# KiCad board acorn-motherboard.kicad_pcb (continued)
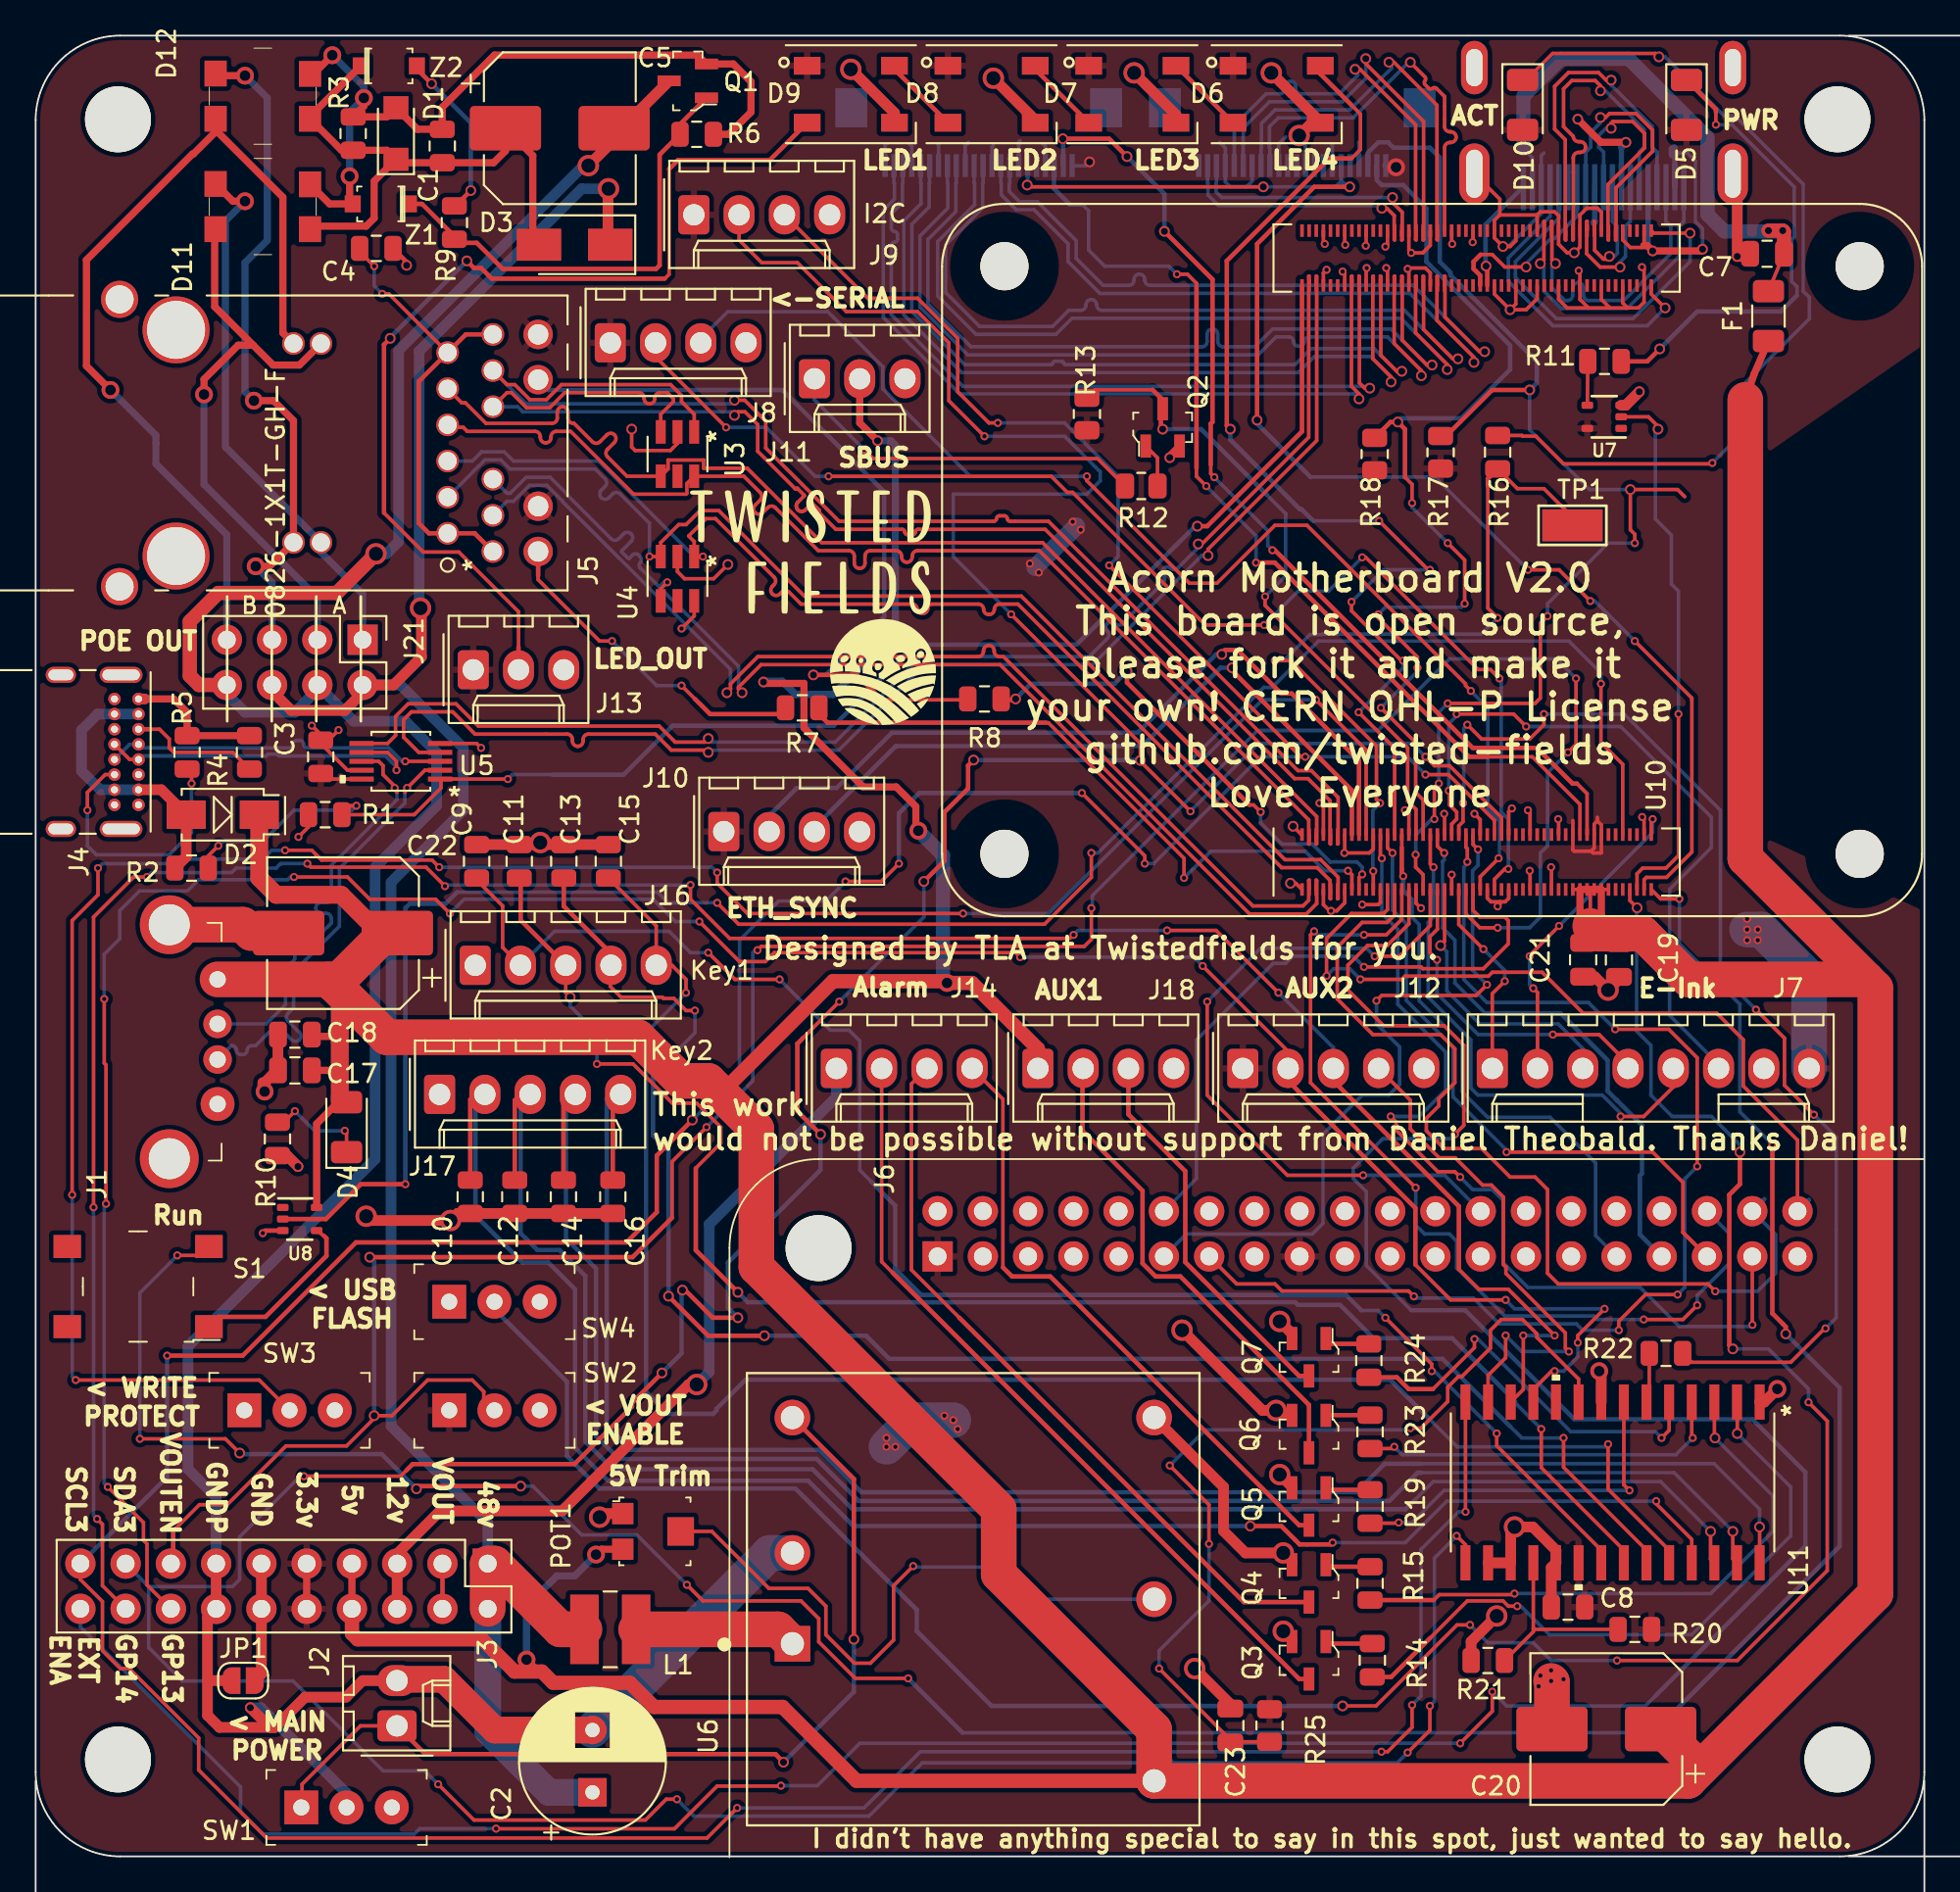
[diagram p0: board, top side]
## Routing (per net, layer and track width the routed paths; a pad name or vN(x,y) marks a point on that pad's centre or on a via; arc(x,y) is an arc through that point) (continued)
TRD1_P: length 65.1
  Top w0.2: J5.4 23.26,80.25 24,80.25 24.22,80.03 28.02,80.03 arc(28.24,79.94) 28.32,79.73 28.32,79.68 arc(28.41,79.47) 28.62,79.38 arc(28.84,79.47) 28.92,79.68 28.92,79.73 arc(29.01,79.94) 29.22,80.03 30.03,80.03 33.55,76.5 36.5,76.5 36.55,76.55 36.55,77.09 U3.6 39.75,77.51 40.66,76.59 arc(40.75,76.38) 40.66,76.17 40.38,75.88 arc(40.29,75.67) 40.38,75.46 arc(40.59,75.37) 40.8,75.46 41.09,75.74 arc(41.3,75.83) 41.51,75.74 43.93,73.33 45.65,73.33 arc(45.86,73.24) 45.95,73.03 45.95,72.62 arc(46.03,72.41) 46.25,72.33 arc(46.46,72.41) 46.55,72.62 46.55,73.03 arc(46.63,73.24) 46.85,73.33 48.3,73.33 arc(48.51,73.24) 48.6,73.03 48.6,72.98 arc(48.68,72.76) 48.9,72.68 arc(49.11,72.76) 49.2,72.98 49.2,73.03 arc(49.28,73.24) 49.5,73.33 56.33,73.33 71.45,58.21 71.45,56.88 71.47,56.85 U10.4
TRD2_N: length 67.3
  Top w0.2: U10.11 73.07,53.77 73.1,53.8 73.1,54.99 72.11,55.97 70.11,55.97 55.31,70.78 43.14,70.78 38.34,75.58 37.29,75.58 36.51,74.79 36.09,74.79 35.08,73.78 U4.3 v2(34.45,72.99)
  Bottom w0.2: J5.2 24.58,77.79 24.58,77.79 25.21,78.42 26.11,78.42 26.62,77.91 31.41,77.91 31.96,77.36 arc(32.05,77.15) 31.96,76.93 31.75,76.72 arc(31.66,76.51) 31.75,76.3 arc(31.96,76.21) 32.17,76.3 32.39,76.51 arc(32.6,76.6) 32.81,76.51 34.45,74.87 v2(34.45,72.99)
TRD2_P: length 67.4
  Top w0.2: U10.9 72.67,53.77 72.65,53.8 72.65,54.81 71.93,55.53 69.93,55.53 55.13,70.33 54.1,70.33 arc(53.89,70.24) 53.8,70.03 arc(53.72,69.82) 53.51,69.74 53.5,69.74 arc(53.29,69.82) 53.2,70.03 arc(53.12,70.24) 52.91,70.33 50.32,70.33 arc(50.14,70.25) 50.06,70.06 arc(49.99,69.88) 49.8,69.8 49.72,69.8 arc(49.54,69.88) 49.46,70.06 arc(49.39,70.25) 49.2,70.33 42.96,70.33 42.29,70.99 arc(42.08,71.08) 41.87,70.99 41.77,70.89 arc(41.56,70.81) 41.35,70.89 arc(41.26,71.11) 41.35,71.32 41.44,71.42 arc(41.53,71.63) 41.44,71.84 38.16,75.12 37.62,75.12 36.65,74.15 36.96,73.84 U4.1 v2(37.45,72.99)
  Bottom w0.2: J5.3 24.51,78.36 25.03,78.87 26.3,78.87 26.81,78.36 31.6,78.36 U4.1 v2(37.45,72.99)
TRD3_N: length 65.8
  Top w0.2: U4.4 35.08,71.18 v2(35.45,71.55) ; v1(39.65,65.35) 39.45,65.55 39.45,65.66 40.71,66.92 54.13,66.92 68.13,52.92 71.31,52.92 71.9,53.51 71.9,54.8 71.87,54.83 U10.5
  Bottom w0.2: 34.99,71.29 39.45,66.84 39.45,65.55 v1(39.65,65.35) ; 34.99,71.29 35.25,71.55 v2(35.45,71.55) ; 34.99,71.29 33.93,72.35 arc(33.87,72.51) 33.93,72.66 arc(34,72.82) 33.93,72.98 33.82,73.09 arc(33.67,73.15) 33.51,73.09 33.32,72.9 arc(33.28,72.88) 33.25,72.9 32.9,73.25 arc(32.88,73.29) 32.9,73.32 33.42,73.85 arc(33.51,74.06) 33.42,74.27 arc(33.21,74.36) 32.99,74.27 32.72,73.99 arc(32.51,73.91) 32.29,73.99 29.83,76.46 29.83,76.49 28.87,77.44 27.53,77.44 26.63,76.55 26.45,76.55 J5.9
TRD3_P: length 64
  Top w0.2: U4.6 36.96,69.66 v2(36.25,68.95) ; v1(38.8,65.35) 39,65.55 39,65.84 40.53,67.38 52.9,67.38 arc(53.11,67.46) 53.2,67.67 53.2,67.71 arc(53.28,67.92) 53.5,68.01 arc(53.71,67.92) 53.8,67.71 53.8,67.67 arc(53.88,67.46) 54.1,67.38 54.31,67.38 68.31,53.38 71.13,53.38 71.45,53.69 71.45,54.8 71.47,54.83 U10.3
  Bottom w0.2: 36.58,69.08 29.55,76.1 29.55,76.13 28.69,77 27.71,77 26.82,76.1 26.45,76.1 J5.8 ; 36.58,69.08 36.45,68.95 v2(36.25,68.95) ; 36.58,69.08 39,66.66 39,65.55 v1(38.8,65.35)
TX: length 71.3
  Top w0.2: U10.55 81.87,54.87 82.45,55.45 v2(82.65,55.45) ; v2(38.75,80.25) 34.79,84.21 J8.2 ; v2(82.15,66.15) 81.65,66.65 80.95,66.65 74.65,72.95 v2(74.45,72.95) ; v2(68.95,69.15) 65.65,69.15 58.2,76.6 57.9,76.6 57,77.5 v2(44.5,77.5)
  Bottom w0.2: v2(82.65,55.45) 82.65,58.25 82.25,58.65 82.25,66.05 v2(82.15,66.15) ; v2(38.75,80.25) 41,80.25 43.75,77.5 v2(44.5,77.5) ; v2(68.95,69.15) 70.85,71.05 72.55,71.05 v2(74.45,72.95)
USB_N: length 73.9
  Top w0.2: U5.6 19.75,62.5 20.2,62.95 20.2,64.02 20.91,64.72 23.59,64.72 24.84,63.47 34.99,63.47 35.89,62.58 37.55,62.58 v1(37.75,62.78) ; U10.103 71.47,88.75 71.45,88.72 71.45,79.69 65.45,73.7 v1(65.25,73.7)
  Bottom w0.2: v1(37.75,62.78) 37.95,62.58 44.88,62.58 49.68,67.38 59.13,67.38 60.14,68.38 arc(60.22,68.6) 60.14,68.81 arc(60.05,69.02) 60.14,69.23 arc(60.35,69.32) 60.56,69.23 arc(60.77,69.14) 60.99,69.23 63.29,71.53 arc(63.37,71.72) 63.29,71.91 arc(63.21,72.1) 63.29,72.29 63.33,72.34 arc(63.52,72.42) 63.71,72.34 arc(63.9,72.26) 64.09,72.34 65.25,73.5 v1(65.25,73.7)
USB_OTG: length 82.5
  Top w0.2: v2(26.5,60.5) 22.7,60.5 U5.1 22.75,60.45 22.75,60 21.25,58.5 R1.1 17.69,59 v2(18,59) ; v2(10.25,56.75) 9.69,56.19 R2.2
  Top w0.25: U10.101 71.07,80.02 65.75,74.7 v1(65.2,74.7)
  Bottom w0.2: v2(18,59) 17.75,58.75 14.5,58.75 12.75,57 10.5,57 v2(10.25,56.75) ; 29,60.75 26.75,60.75 v2(26.5,60.5)
  Bottom w0.25: 29,60.75 33,60.75 35.75,63.5 44.8,63.5 49.35,68.05 58.42,68.05 65.07,74.7 v1(65.2,74.7)
USB_P: length 73.9
  Top w0.2: v1(37.75,62) 37.63,62.12 35.68,62.12 34.78,63.03 31.03,63.03 arc(30.81,62.94) 30.72,62.72 30.72,62.64 arc(30.64,62.43) 30.42,62.34 arc(30.21,62.43) 30.12,62.64 30.12,62.72 arc(30.04,62.94) 29.83,63.03 24.66,63.03 23.41,64.28 21.09,64.28 20.65,63.83 20.65,62.85 21.5,62 U5.4 ; v1(65.8,73.05) 65.8,73.41 71.9,79.51 71.9,88.72 71.87,88.75 U10.105
  Bottom w0.2: v1(65.8,73.05) 65.44,73.05 59.31,66.92 49.88,66.92 45.07,62.12 37.87,62.12 v1(37.75,62)
USBA_D_N: length 26.7
  Top w0.2: 20.28,59.75 20.27,59.88 v2(20.15,60) 20.15,60.1 19.5,60.75 19.5,61.25 19.25,61.5 18.3,61.5 U5.8
  Bottom w0.2: v2(20.15,60) 20.27,59.88 20.28,59.34 16.6,55.66 16.6,53.86 arc(16.51,53.65) 16.3,53.56 16.02,53.56 arc(15.81,53.48) 15.72,53.26 arc(15.81,53.05) 16.02,52.96 16.3,52.96 arc(16.51,52.88) 16.6,52.66 16.6,52.41 16.16,51.98 arc(15.95,51.89) 15.74,51.98 15.48,52.24 arc(15.26,52.33) 15.05,52.24 arc(14.96,52.03) 15.05,51.82 15.56,51.31 arc(15.58,51.27) 15.56,51.24 15.21,50.89 arc(15.17,50.87) 15.14,50.89 14.63,51.4 arc(14.42,51.48) 14.2,51.4 arc(14.12,51.18) 14.2,50.97 14.47,50.71 arc(14.55,50.5) 14.47,50.28 14.03,49.84 14.03,47.84 12.93,46.75 J1.2
USBA_D_P: length 26.1
  Top w0.2: U5.2 21.85,61 v2(20.85,60) 20.73,59.88 20.72,59.75
  Bottom w0.2: J1.3 10.98,45.52 11.02,45.52 arc(11.2,45.45) 11.27,45.28 arc(11.35,45.1) 11.52,45.03 11.62,45.03 arc(11.8,45.1) 11.87,45.28 arc(11.95,45.45) 12.12,45.52 12.34,45.52 13.31,46.49 arc(13.52,46.58) 13.73,46.49 14.37,45.86 arc(14.58,45.77) 14.8,45.86 arc(14.88,46.07) 14.8,46.28 14.16,46.92 arc(14.07,47.13) 14.16,47.34 14.47,47.66 14.47,49.66 17.05,52.23 17.05,55.48 20.72,59.16 20.73,59.88 v2(20.85,60)
USBC_D_N: length 19.5
  Top w0.2: v2(20.25,61) 20.25,61.49 19.75,62 U5.7 ; J4.A7 5.28,61.6 J4.B7
  Bottom w0.2: v2(20.25,61) 20.25,61.18 19.63,61.8 13.65,61.8 arc(13.61,61.81) 13.6,61.85 arc(13.59,61.89) 13.55,61.9 13.05,61.9 arc(13.01,61.89) 13,61.85 arc(12.99,61.81) 12.95,61.8 5.97,61.8 J4.A7
USBC_D_P: length 19.5
  Top w0.2: v2(20.74,61.49) 22.7,61.49 U5.3
  Bottom w0.2: v2(20.74,61.49) 20.57,61.49 19.81,62.25 15.25,62.25 arc(15.1,62.31) 15.04,62.46 arc(14.98,62.61) 14.83,62.67 14.65,62.67 arc(14.5,62.61) 14.44,62.46 arc(14.38,62.31) 14.23,62.25 5.97,62.25 J4.A6 5.28,62.45 J4.B6
USBC_VBUS_IN: length 15.7
  Top w0.6: 8.06,55.75 8.45,56.14 D2.2 7.05,59.9 J4.A9
  Bottom w0.6: J4.A9 J4.B4 3.62,59.9 2.58,60.95 2.58,63.25 3.47,64.15 J4.B9 J4.A4
VC1: length 30.3
  Top w0.4: D11.1 11.07,92.95 v4(11.75,92.95)
  Bottom w0.4: J21.1 18.35,70.9 16.01,73.24 J5.13 10.65,79.15 10.65,91.85 v4(11.75,92.95)
VC2: length 33
  Top w0.4: J5.14 14.8,83.75 13.33,83.75 12.21,84.86 ; 12.21,84.86 11.36,84.86 9.45,82.95 v4(9.45,82.1) ; 12.21,84.86 10.05,87.03 10.05,91.33 D11.2
  Bottom w0.4: J21.3 15.81,70.69 9.45,77.05 v4(9.45,82.1)
VC3: length 37.9
  Top w0.4: v4(12.25,81.75) 13.35,81.75 14.47,80.63 J5.15 13.13,72.45 v4(12.35,72.45) ; D12.1 10.22,100 v4(11.75,100)
  Bottom w0.4: v4(12.25,81.75) 11.75,82.25 11.75,89.5 13,90.75 13,98.75 v4(11.75,100) ; J21.5 13.27,71.53 v4(12.35,72.45)
VC4: length 50
  Top w0.4: J5.16 13.88,85.55 13.88,93.17 10.1,96.95 D12.2 10.1,96.85 8.85,95.6 8.8,95.6 2.85,89.65 2.85,83.7 v4(4.2,82.35)
  Bottom w0.4: v4(4.2,82.35) 6.75,79.8 6.75,78.2 10.73,74.22 J21.7
VOUT: length 2.5
  Top w0.25: J3.3 J3.4
VOUT_ENABLE: length 144.2
  Top w0.2: v2(82.05,52.15) 81.05,52.15 80.27,52.93 U10.47 ; 7.72,18.28 9.19,19.75 10.75,19.75 14.05,23.05 17.45,23.05 19,24.6 v1(19,24.75) 20,24.75 22,26.75 24.5,26.75 25.15,26.1 25.15,25.6 25.75,25 ; v2(40.51,50.89) 40.72,51.1 58.85,51.1 59.25,51.5 v2(59.25,53.25) ; 25.5,25 25.5,25.75 ; v2(37.65,40.95) 35.72,39.02 35.72,35.87 ; v2(86,62) 86.45,62.45 v2(86.45,66.15)
  Top w0.25: 35.72,35.87 33.5,33.65 v1(18.75,33.65) ; 7.72,18.28 7.72,16.57 J3.15
  Bottom w0.2: v2(82.05,52.15) 83.85,52.15 84.45,52.75 84.45,56.35 84.85,56.75 84.85,60.85 v2(86,62) ; v2(40.51,50.89) 40.39,50.89 40.25,50.75 40.25,43.55 v2(37.65,40.95) ; v2(59.25,53.25) 59.3,53.3 59.3,53.95 68.58,63.23 75.33,63.23 79.35,67.25 85.35,67.25 v2(86.45,66.15)
  Bottom w0.25: v1(19,24.75) 19,33.4 v1(18.75,33.65)
VOUTN: length 45.8
  Top w0.4: D11.3 16.5,92.8 Z1.A 17.62,92.97 v4(17.62,94.35) ; D12.3 15.6,100.1 v4(16.65,101.15) ; R6.1 38.9,96.71 40.15,97.96 40.15,99.66 39.15,100.66 Q1.2 37.15,101.16 25.75,101.16 22.82,98.23 C1.2 21.43,96.99 D1.2 19.71,97.69 R3.1 18.42,98.29 v4(18.42,98.75)
  Bottom w0.4: v4(17.62,94.35) 17.62,97.95 v4(18.42,98.75) 18.42,99.38 v4(16.65,101.15)
VOUTP: length 32.6
  Top w0.4: 27.9,90.51 27.9,95.52 C5.1 26.37,95.78 25.7,95.11 C1.1 20.41,95.11 D1.1 ; D1.1 19.71,95.81 R3.2 17.17,95.81 D12.4 15.4,97.7 Z2.K ; D1.1 19,94.08 19,92 18.55,91.55 15.57,91.55 D11.4 15.45,91.33
WS2812: length 61.6
  Top w0.2: v2(76.75,67.15) 76.65,67.15 73.85,69.95 v2(73.85,70.45) ; 73.85,95.35 74.35,95.85 74.35,97.85 73.84,98.36 ; U10.28 76.27,62.23 v2(74.25,64.25) ; v2(78.25,72.25) 78.15,72.25 v2(75.4,75)
  Top w0.25: 73.85,95.35 72.6,95.35 66.85,89.6 66.85,80.35 v1(67.05,80.15) ; 73.84,98.36 72.1,100.1 D6.4 72.25,100.56
  Bottom w0.2: v2(73.85,70.45) 75.65,72.25 v2(78.25,72.25) ; v2(75.4,75) 71.7,75 ; v2(74.25,64.25) 76.75,66.75 v2(76.75,67.15)
  Bottom w0.25: v1(67.05,80.15) 67.05,79.56 70.95,75.66 71.04,75.66 71.7,75
Net-(C4-Pad1): length 26.1
  Top w0.2: v2(19.45,87.75) 19.82,87.75 J5.6 ; C4.1 18.18,90.12 v2(19,89.3)
  Top w0.25: J5.12 24.14,85.47 J5.6 21.5,82.83 21.5,74.87 22.07,74.3 J5.1 24.64,74.3 J5.7
  Bottom w0.2: v2(19,89.3) 19,88.2 v2(19.45,87.75)
Net-(C23-Pad2): length 51.7
  Top w0.2: U11.9 86.59,26.81 84.25,29.15 84.25,29.35 83.45,30.15 82.25,30.15 81.65,29.55 81.65,28.55 80.05,26.95 79.85,26.95 79.25,26.35 79.25,25.55 77.75,24.05 v2(77.15,24.05) ; v2(63.05,10.55) 67.05,6.55 C23.2 67.09,6.44 R25.1 ; v2(65.85,17.55) 65.85,19.75 v2(63.65,21.95)
  Bottom w0.2: v2(63.65,21.95) 65.65,23.95 77.05,23.95 v2(77.15,24.05) ; v2(63.05,10.55) 63.05,11.55 65.85,14.35 v2(65.85,17.55)
Net-(D4-Pad1): length 5.7
  Top w0.2: R10.1 13.93,41.23 v2(14.55,41.85) ; D4.1 17.45,40.65 v2(17.35,40.75)
  Bottom w0.2: v2(14.55,41.85) 15.65,40.75 v2(17.35,40.75)
Net-(D5-Pad1): length 26.7
  Top w0.2: 94.3,97.95 v2(94.3,97.25)
  Top w0.25: v1(91.15,84.66) 90.45,83.96 R11.1 ; D5.1 94.3,98.11 94.3,97.95
  Bottom w0.2: v2(94.3,97.25) 94.31,97.24 95.21,97.24 98.7,93.75 98.7,90.95 98.55,90.8 98.55,88.45 98.85,88.15 98.85,87.66
  Bottom w0.25: 98.85,87.66 97.95,86.76 93.25,86.76 v1(91.15,84.66)
Net-(D6-Pad2): length 4.5
  Top w0.25: D7.4 D6.2
Net-(D7-Pad2): length 4.4
  Top w0.25: D7.2 56.1,100.36 D8.4
Net-(D8-Pad2): length 4.4
  Top w0.25: D9.4 48.2,100.36 D8.2
Net-(D9-Pad2): length 55.8
  Top w0.2: 19.55,75.45 21.75,73.25 23.75,73.25 27.1,69.9 27.1,67.9 ; 35.31,88.6 35.55,88.84 35.55,94.76
  Top w0.25: v1(19.9,85.25) 19.55,84.9 19.55,75.45 ; D9.2 41.2,95.26 36.05,95.26 35.55,94.76 ; v1(24.2,89.6) 24.6,89.2 25,89.2 25.6,88.6 35.31,88.6 ; 27.1,67.9 J13.2
  Bottom w0.25: v1(19.9,85.25) 19.9,85.3 v1(24.2,89.6)
Net-(D10-Pad1): length 50.2
  Top w0.2: D10.1 83.65,99.76 85.14,101.25 90.91,101.25 v1(91.1,101.06) ; v2(94.1,78.25) 94.05,78.2 85.75,78.2 84.19,79.76 83.45,79.76 83.41,79.8 R16.1
  Bottom w0.2: v2(94.1,78.25) 95.63,79.78 95.63,82.43 99.55,86.35 99.55,87.55 99.2,87.9 99.2,93.91 95.36,97.75 94.76,97.75 91.45,101.06 v1(91.1,101.06)
Net-(J2-Pad1): length 52.9
  Top w0.2: J2.1 18.23,7.33 14.95,4.05 14.95,2.75
  Top w0.25: U6.6 45.92,21.19 v1(45.92,12.19) ; v1(41.97,5.29) 41.52,5.74 21.87,5.74 J2.1
  Bottom w0.25: v1(45.92,12.19) 45.92,9.24 v1(41.97,5.29)
Net-(J4-PadA5): length 7.4
  Top w0.2: 6.33,63.3 6.95,63.3 7.5,62.75 7.5,62.25 7.75,62 11.06,62 R4.2
  Top w0.25: J4.A5 6.33,63.3
Net-(J4-PadB5): length 15.2
  Top w0.2: v2(8.75,60.25) 8.75,60.81 R5.2 ; v2(2.9,58.75) 2.9,59.75 3.9,60.75 J4.B5
  Bottom w0.2: v2(8.75,60.25) 8.75,57.5 7.5,56.25 3.4,56.25 2.9,56.75 v2(2.9,58.75)
Net-(J5-Pad17): length 18.6
  Top w0.2: v2(36.25,65.75) 37,65 ; v2(32.35,68.25) 31.65,68.25 28.2,71.7 28.2,71.92
  Top w0.25: 42.08,64.15 37.85,64.15 37,65 ; J5.17 28.2,71.92
  Bottom w0.2: v2(36.25,65.75) 34.85,65.75 v2(32.35,68.25)
Net-(J5-Pad19): length 43.6
  Top w0.2: R8.1 52.26,64.95 47.48,64.95
  Top w0.25: 47.48,64.95 46.08,66.35 v1(43.65,66.35)
  Bottom w0.25: J5.19 28.78,82.35 41.9,82.35 47.62,76.63 47.62,69.62 44.35,66.35 v1(43.65,66.35)
Net-(J14-Pad2): length 44.5
  Top w0.2: 48.1,32.77 47.48,33.4 J14.2
  Top w0.25: Q3.3 70.91,9.96 48.1,32.77
Net-(J14-Pad3): length 41.7
  Top w0.2: 51.85,30.24 49.15,32.94 49.15,43.38 J14.3
  Top w0.25: Q4.3 67.81,14.28 51.85,30.24
Net-(J14-Pad4): length 35.1
  Top w0.2: J14.4 54.29,42.52 54.29,33.08
  Top w0.25: Q5.3 70.91,18.6 56.94,32.57 54.8,32.57 54.29,33.08
Net-(J18-Pad2): length 27.7
  Top w0.25: Q6.3 71.46,25.35 64.25,32.57 62.86,32.57 62.12,33.3 62.12,37.38 58.75,40.75 58.75,44.21 J18.2
Net-(J18-Pad3): length 21.8
  Top w0.25: J18.3 61.33,41.67 64.52,38.48 64.52,33.37 70.91,26.98 Q7.3
Net-(L1-Pad1): length 9.1
  Top w2: U6.1 41.66,12.75 L1.1
Net-(POT1-Pad2): length 35.4
  Top w0.2: v2(49.25,16.3) 48.15,15.2 48.15,12.15 46.85,10.85 45.95,10.85 44.35,12.45 44.35,14.05 43.35,15.05 41.15,15.05 37.95,18.25 POT1.2
  Bottom w0.2: v2(49.25,16.3) 49.3,16.25 54.45,16.25 56.26,14.44 U6.4
Net-(Q1-Pad1): length 26.2
  Top w0.25: Q1.1 36.16,97.27 R6.2 35.02,95.57 35.02,89.35 34.82,89.15 26.22,89.15 24.76,90.61 23.87,90.61 21.68,92.8 Z1.K
Net-(Q2-Pad1): length 2.5
  Top w0.2: R12.2 62.96,78.54 Q2.1
Net-(Q3-Pad1): length 2.7
  Top w0.25: R14.2 72.52,11.95 Q3.1
Net-(Q4-Pad1): length 2.5
  Top w0.25: Q4.1 72.52,16.27 R15.2
Net-(Q5-Pad1): length 2.5
  Top w0.25: R19.2 72.52,20.59 Q5.1
Net-(Q6-Pad1): length 2.5
  Top w0.25: R23.2 72.43,24.78 Q6.1
Net-(Q7-Pad1): length 2.5
  Top w0.25: R24.2 72.71,28.78 Q7.1
Net-(R9-Pad2): length 9.5
  Top w0.25: 23.87,92.49 23.87,93 v1(24.42,93.55) ; v1(22.22,99.55) 21.4,100.38 Z2.A
  Bottom w0.25: v1(24.42,93.55) 24.42,97.35 v1(22.22,99.55)
Net-(R11-Pad2): length 2.5
  Top w0.2: U7.4 R11.2
Net-(R16-Pad2): length 43.2
  Top w0.2: U10.21 v2(75.07,55.33) 75.05,55.35 ; v2(75.45,59.15) 75.25,59.35 75.25,62.35 70.45,67.15 v2(69.55,67.15) ; R16.2 83.16,76.81 84.65,76.81 85.95,75.51 ; v2(82.05,69.55) 81.5,70.1 81.5,76.97
  Top w0.25: R16.2 81.5,77.37 81.5,76.97
  Bottom w0.2: v2(75.45,59.15) 75.05,58.75 75.05,55.35 ; v2(82.05,69.55) 81.14,68.64 72.2,68.64 72.18,68.61 71.51,68.61 70.05,67.15 v2(69.55,67.15)
Net-(R22-Pad2): length 2.8
  Top w0.2: R22.2 90.56,25.67 U11.6
Net-(S1-Pad1): length 9.9
  Top w0.2: 16.19,34.84 U8.4
  Top w0.25: S1.1 10.28,30.3 12.9,30.3 16.32,33.72 16.32,34.71 16.19,34.84

## Copper pours and planes (outline as drawn; the poured copper is in the pictures)
+3V3 on Top: 108.25,-0.25 -1.75,-0.25 -1.75,102.75 108.25,102.75
GND on Bottom: 106.75,-0.25 -0.75,-0.25 -0.75,102.75 106.75,102.75

## Text on the board
B.Silkscreen: CAM1 | CAM0 | Look again at that dot. That's here. That's home. That's us. On it everyone you love, everyone you / know, everyone you ever heard of, every human being who ever was, / lived out their lives. The aggregate of our joy and / suffering, thousands of confident religions, ideologies,and economic doctrines, / every hunter and forager, every hero and coward, every creator and destroyer of / civilization, every king and peasant, every young couple in love, every mother and / father, hopeful child, inventor and explorer, every teacher of morals, every / corrupt politician, every {dblquote}superstar,{dblquote} every {dblquote}supreme leader,{dblquote} every saint and / sinner in the history of our species lived there-on a mote of dust suspended in a / sunbeam. The Earth is a very small stage in a vast cosmic arena. Think of the endless / cruelties visited by the inhabitants of one corner of this pixel on the scarcely / distinguishable inhabitants of some other corner, how frequent their / misunderstandings, how eager they are to kill one another, how fervent their hatreds. Think / of the rivers of blood spilled by all those generals and emperors so that, in glory and triumph, / they could become the momentary masters of a fraction of a dot. Our posturings, our imagined / self-importance, the delusion that we have some privileged             position in the Universe, / are challenged by this point of pale light. Our                      planet is a lonely speck / in the great enveloping cosmic dark. In our obscurity, in all this vastness, there is no hint that / help will come from elsewhere to save us from ourselves. The Earth is the only world known so far / to harbor life. There is nowhere else, at least in the near future, to                    which our / species could migrate. Visit, yes. Settle, not yet. Like it or not, for the moment the    Earth is / where we make our stand. It has been said that astronomy is a humbling and character-building | experience. There is perhaps no better demonstration of the folly of human / conceits than this distant image of our tiny world. To me, it underscores our responsibility to deal / more kindly with one another, and to preserve and cherish the pale blue dot, / the only home / we've ever known. | - Carl Sagan, Pale Blue Dot: A Vision of the Human Future in Space / We miss you Carl. | Acorn Motherboard V2.0 / This board is open source, / please fork it and make it / your own! CERN OHL-P License / github.com/twisted-fields / Love Everyone
F.Silkscreen: B | A | Key2 | Key1 | I2C | I didn't have anything special to say in this spot, just wanted to say hello. | POE OUT | < WRITE / PROTECT | Run | < MAIN / POWER | < USB / FLASH | < VOUT / ENABLE | LED_OUT | 5V Trim | ETH_SYNC | <-SERIAL | SBUS | Alarm | LED1 | LED2 | AUX1 | LED3 | LED4 | AUX2 | ACT | E-Ink | PWR | EXT / ENA | SCL3 | SDA3 | GP14 | VOUTEN | GP13 | GNDP | GND | 3.3v | 5v | 12v | VOUT | 48v | This work / would not be possible without support from Daniel Theobald. Thanks Daniel! | Designed by TLA at Twistedfields for you. | Acorn Motherboard V2.0 / This board is open source, / please fork it and make it / your own! CERN OHL-P License / github.com/twisted-fields / Love Everyone
